# KiCad board FPGA_DevBoard.kicad_pcb (continued)
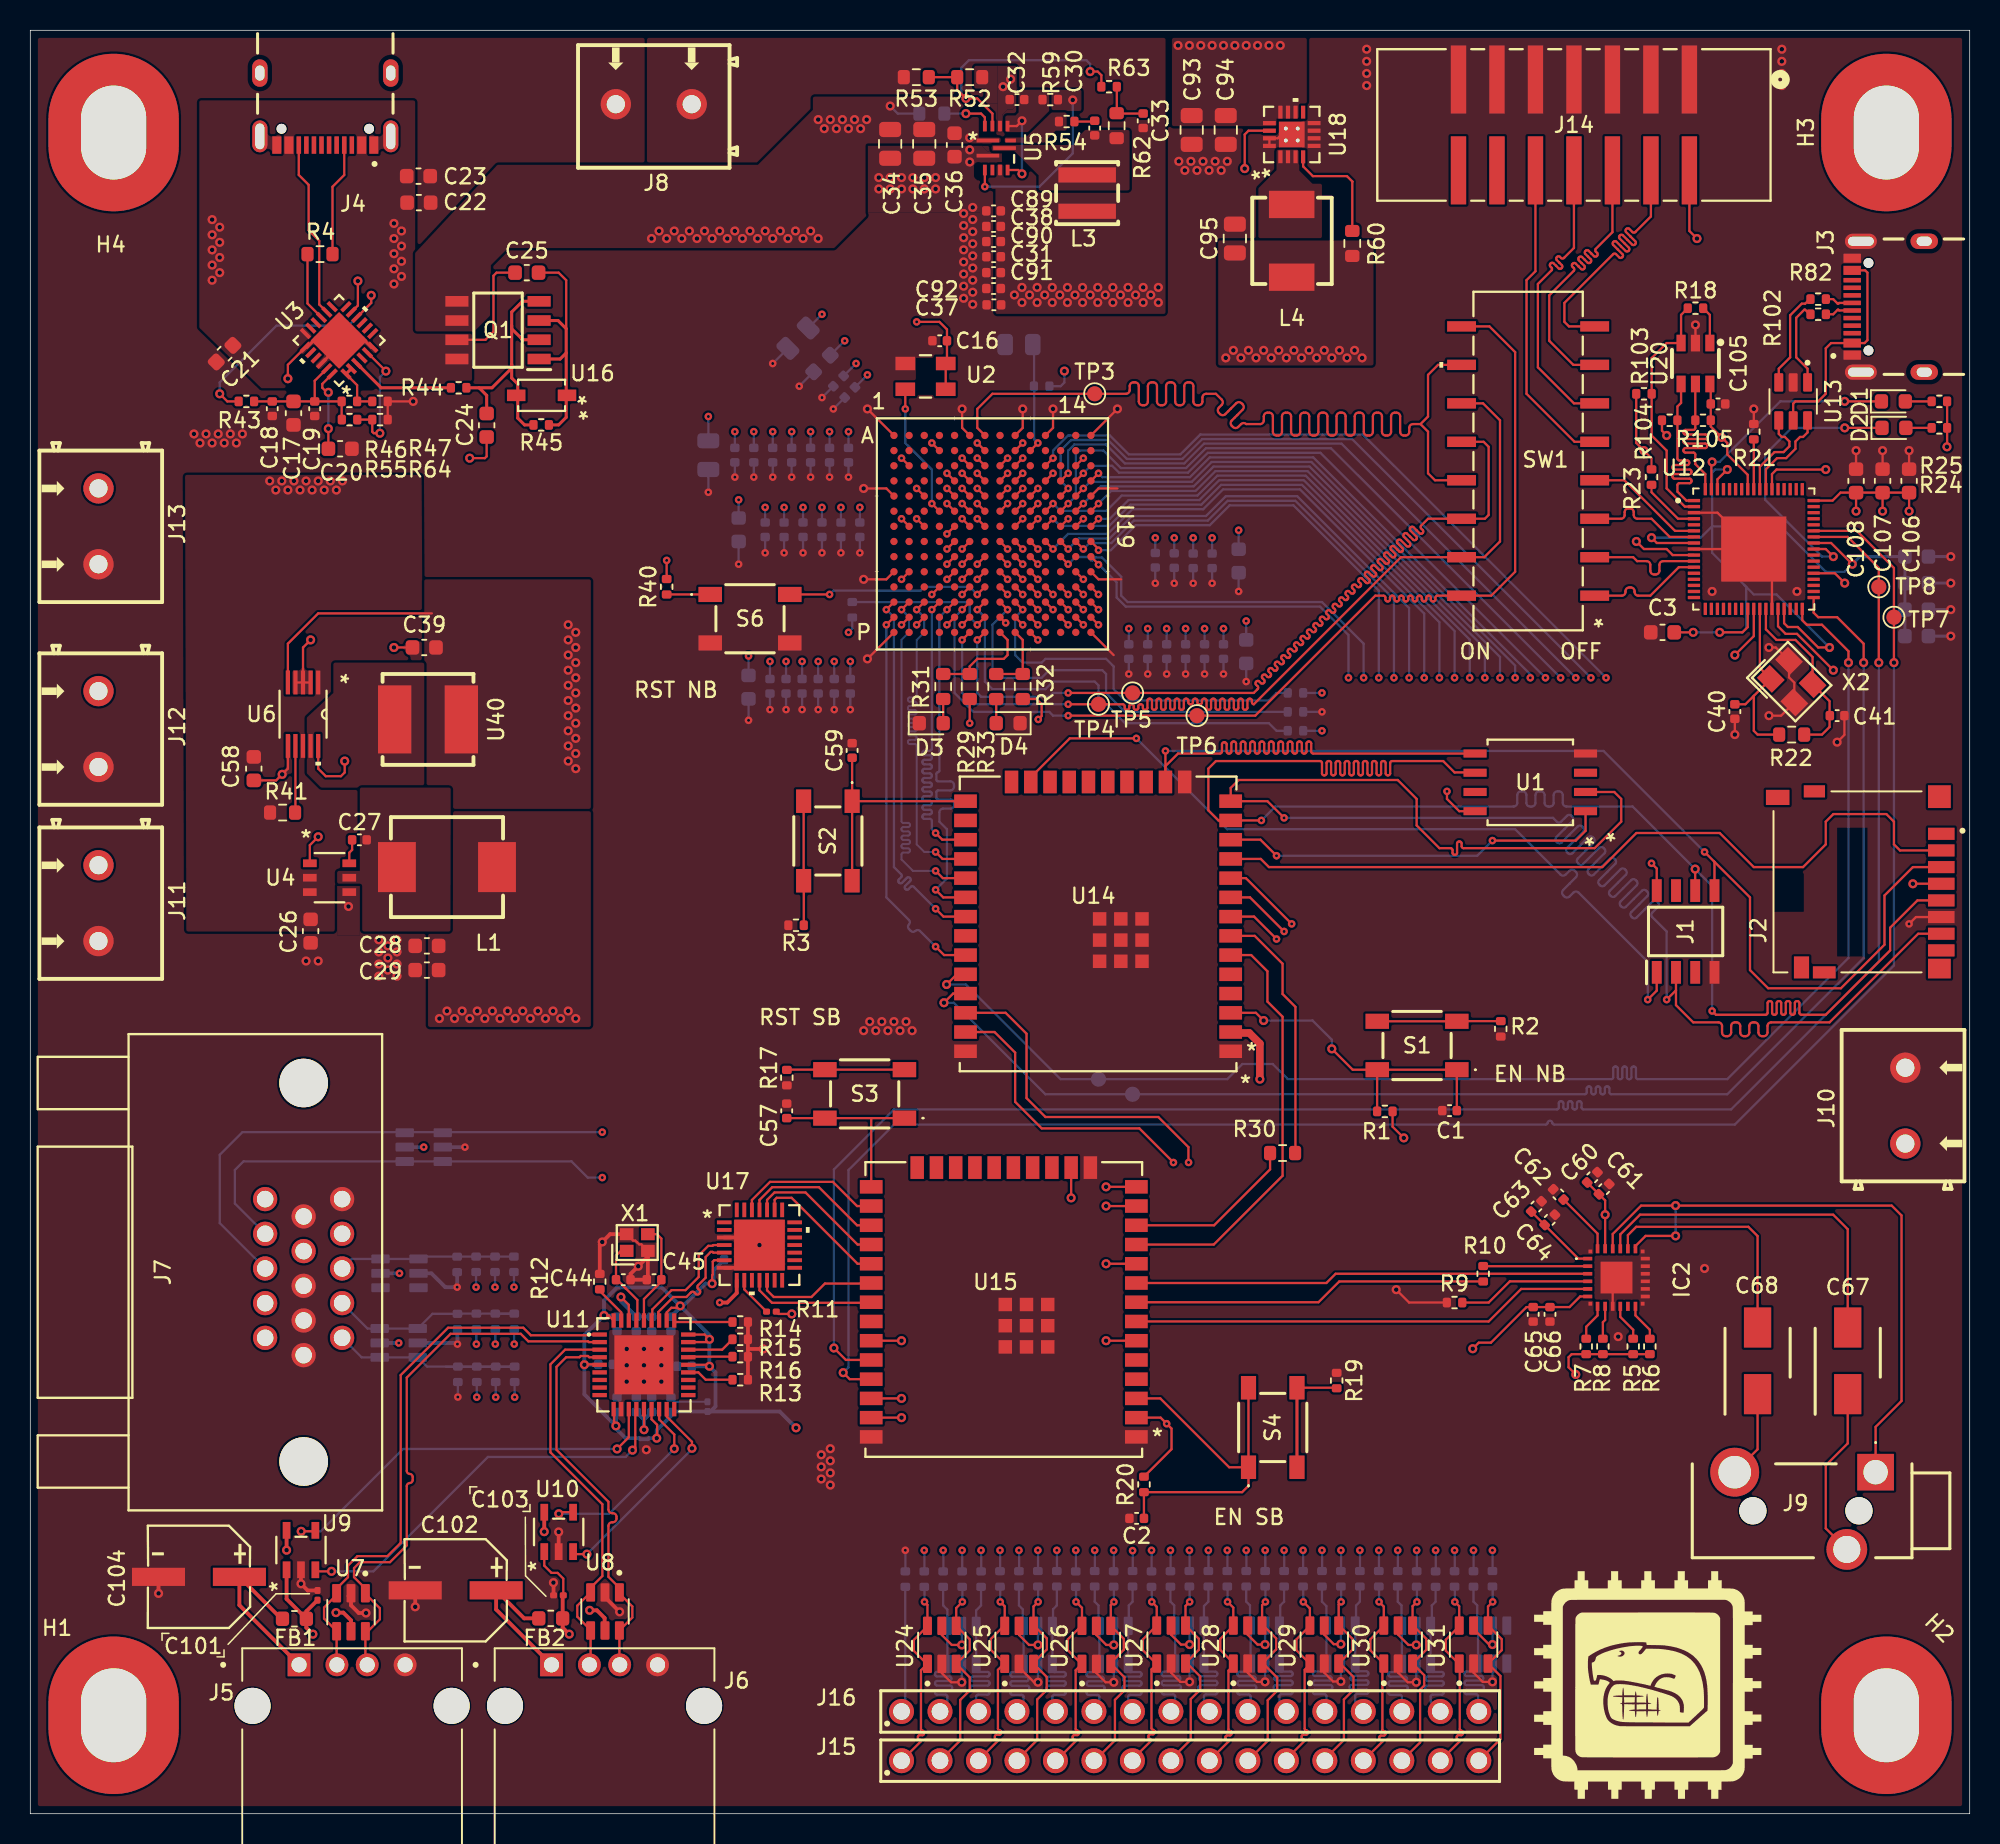
[diagram p0: board, top side]
## Nets (continued)
Pads without a net: H1 1; H2 1; H3 1; H4 1; J1 3 7; J2 1 8 S1 S2 S3 S4 SW-A SW-B; J3 A5 A8 B5 B6 B7 B8; J4 A6 A7 A8 B6 B7 B8; J7 4 9 11 12 15 None; J14 12 14; U1 3 7; U3 4 7 8 9 12 13 16 17 20 21; U5 4; U11 6 7 8 9 18 19 20 21; U12 5 13 14 15 16 17 18 19 20 21 22 23 24 32 33 36 37 38 40 41 42 47 48 49 50 52 53 54 55 56 62 63 64 65; U14 4 5 17 18 19 20 21 22 24 26 32; U15 4 5 17 18 19 20 21 22 23 24 32; U17 1 2 10 13 14 15 16 17 18 19 20 21 22 27 28; U18 9 V; U19 A2 A3 A4 A5 A8 A10 A12 A13 B1 B2 B3 B5 B6 B8 B11 B12 B13 B14 C1 C3 C4 C5 C10 C12 C14 D1 D2 D3 D4 D10 E2 E4 E11 F1 F2 F3 G1 G4 G8 H1 H2 H3 H4 H7 J1 J2 J3 J4 J11 J13 K3 K4 K11 K12 L1 L2 L3 L5 N4 N11 P2 P3 P4 P5 P11 P12 P13; U36 1 6; U38 3 4

## Via types
v1: diameter 0.5, hole 0.2, Top signal to Bottom signal, 315 vias
v2: diameter 0.6, hole 0.3, Top signal to Bottom signal, 414 vias

## Routing (per net, layer and track width the routed paths; a pad name or vN(x,y) marks a point on that pad's centre or on a via; arc(x,y) is an arc through that point)
9V0: length 6.8
  Top signal w0.15: v2(21.62,101.2) 21.62,99.58 U3.11 ; v2(29,89.5) 30,89.5 30.12,89.62 C24.1
  Bottom signal w0.15: v2(56.75,112.75) 57.25,112.25 R51.2
  vias: v2(15.8,88) v2(16.2,87.4) v2(16.6,88) v2(17,87.4) v2(17.4,88) v2(17.8,87.4) v2(18.2,88) v2(18.6,87.4) v2(19,88) v2(19.4,87.4) v2(19.8,88) v2(20.2,87.4) v2(20.6,88) v2(41,104) v2(41.5,104.5) v2(42,104) v2(42.5,104.5) v2(43,104) v2(43.5,104.5) v2(44,104) v2(44.5,104.5) v2(45,104) v2(45.5,104.5) v2(46,104) v2(46.5,104.5) v2(47,104) v2(47.5,104.5) v2(48,104) v2(48.5,104.5) v2(49,104) v2(49.5,104.5) v2(50,104) v2(50.5,104.5) v2(51,104) v2(51.5,104.5) v2(52,111.85) v2(52,104) v2(52.4,111.25) v2(52.8,111.85) v2(53.2,111.25) v2(53.6,111.85) v2(54,111.25) v2(54.4,111.85) v2(54.8,111.25) v2(55.2,111.85) v2(62,110.66) v2(75.75,116.75) v2(76.5,116.75) v2(77.25,116.75) v2(78,116.75) v2(78.75,116.75) v2(79.5,116.75) v2(80.25,116.75) v2(81,116.75) v2(81.75,116.75) v2(82.5,116.75)
+1V0: length 23.2
  Top signal w0.15: U19.K6 v1(61.5,81.5) ; U19.J5 v1(60.5,82.5) ; U19.F6 v1(61.5,86.5) ; U19.H6 v1(61.5,83.5) ; U19.K8 v1(64.5,81.5) ; U19.G5 v1(60.5,84.5) ; U19.E5 v1(60.5,87.5) ; U19.E7 v1(62.5,87.5) ; U19.E9 v1(65.5,87.5) ; U19.D8 v1(64.5,88.5) ; U19.J9 v1(65.5,82.5) ; U19.D6 v1(61.5,88.5) ; U19.G9 v1(65.5,85.5)
  Bottom signal w0.15: C6.1 v1(50.25,91.25) ; C100.1 v1(46.5,91.25) ; C98.1 v1(54,91.25) ; C9.1 v1(55.25,95) ; C11.1 v1(53.75,97.25) ; C5.1 v1(51.5,91.25) ; C4.1 v1(52.75,91.25) ; C97.1 v1(52.25,99) ; C8.1 v1(44.75,92.25) ; C99.1 v1(49,91.25) ; C7.1 v1(47.75,91.25) ; C10.1 v1(54.5,95.75)
  vias: v2(64.95,100.28) v2(65.45,100.78) v2(65.45,99.78) v2(65.95,100.28) v2(66.45,100.78) v2(66.45,99.78) v2(66.95,100.28) v2(67.45,100.78) v2(67.45,99.78) v2(67.95,100.28) v2(68.45,100.78) v2(68.45,99.78) v2(68.95,100.28) v2(69.45,100.78) v2(69.45,99.78) v2(69.95,100.28) v2(70.45,100.78) v2(70.45,99.78) v2(70.95,100.28) v2(71.45,100.78) v2(71.45,99.78) v2(71.95,100.28) v2(72.45,100.78) v2(72.45,99.78) v2(72.95,100.28) v2(73.45,100.78) v2(73.45,99.78) v2(73.95,100.28) v2(74.45,100.78) v2(74.45,99.78)
+1V8: length 21.8
  Top signal w0.15: U19.K10 v1(66.5,81.5) ; 26.5,79.25 19,79.25 17,77.25 U6.5 ; U19.F10 v1(66.5,86.5) ; U19.F8 v1(64.5,86.5) ; U19.H10 v1(66.5,83.5) ; U19.L9 v1(65.5,80.5)
  Bottom signal w0.15: C12.1 v1(76.75,84.24) ; C13.1 v1(75.5,84.24) ; C15.1 v1(79.75,84.74) ; C96.1 v1(74.25,84.24) ; C14.1 v1(78,84.24)
  vias: v2(35.5,78.5) v2(35.5,77.5) v2(35.5,76.5) v2(35.5,75.5) v2(35.5,74.5) v2(35.5,73.5) v2(35.5,72.5) v2(35.5,71.5) v2(35.5,70.5) v2(35.5,69.5) v2(36,78) v2(36,77) v2(36,76) v2(36,75) v2(36,74) v2(36,73) v2(36,72) v2(36,71) v2(36,70) v2(36,69)
+3V3: length 235.5
  Top signal w0.13: v2(106.5,90) 107,89.5 R23.2
  Top signal w0.15: U26.5 70.36,11.8 71.02,11.14 v2(71.51,11.14) ; v2(81.49,11.17) 81,11.17 80.35,11.82 U28.5 ; R103.1 105.99,90.51 v2(106.5,90) ; 38.5,26.71 38.52,26.69 38.52,25.73 v2(38.65,25.61) ; U19.N13 v1(69.5,78.5) ; U12.26 113.75,77.75 v2(112.5,76.5) ; v1(58.5,98.5) 60,98.5 60.5,98 C16.1 60.5,95.83 U2.1 U2.4 ; R29.1 v1(62,72) ; 109.5,109 109.5,104.5 v2(110,104) ; v1(93.5,67.5) 93.5,67 94.31,66.19 U1.8 ; U12.61 113.35,88.4 112,89.75 112,90.5 v2(111.62,90.88) 110.91,91.59 R105.1 C105.1 110.91,94.34 U20.6 ; U11.23 44.73,29.64 v2(44.82,29.54) ; U27.5 75.29,11.82 75.94,11.17 v2(76.51,11.17) ; C108.1 v2(120.5,86) ; 102.77,41.66 C61.1 103.94,40.49 v2(103.94,39.55) IC2.23 ; R20.1 75.32,24.07 75.32,25.43 v1(75,25.75) 74.6,26.15 U15.2 ; v2(119,75.5) 116.6,77.9 115.85,77.9 115.35,78.4 U12.30 ; v2(95.2,30.7) 95.6,31.1 96.4,31.1 98.75,33.45 C65.1 101.59,33.45 102.29,34.15 IC2.6 ; U19.K2 v1(57.5,81.5) ; U12.51 118.95,86.7 119.47,87.22 C106.1 v2(124,86) ; R1.1 89.91,45.36 v2(90.65,44.62) ; U30.5 90.28,11.82 90.95,11.14 v2(91.47,11.14) ; v2(119.75,81.25) 119.1,81.9 U12.39 ; R25.1 126.51,90.26 v2(126.5,90.25) ; v2(50.26,33) 49.38,33 R11.2 ; R40.1 v1(42,82.75) ; U31.5 95.26,12.2 96.28,11.17 v2(96.5,11.17) ; U24.5 60.16,11.8 60.82,11.14 v2(61.48,11.14) ; v2(106,84) 106.5,83.5 108,83.5 108.4,83.1 U12.10 ; U11.27 44.51,31.64 v2(44.82,31.32) 44.64,31.14 U11.26 ; U11.36 38.17,32.9 v2(37.86,32.9) ; J1.8 107.34,62.41 v1(107,62.75) ; U12.57 114.95,88.45 115.25,88.75 v2(118.5,88.75) ; U11.5 37.54,29.67 36.59,29.67 v2(36.57,29.64) ; v2(41.34,24.79) 41.37,24.82 41.37,25.68 41,26.05 41,26.71 ; U19.N2 v1(57.5,78.5) ; v2(45,35) 45,35.56 45.04,35.6 45.04,36.45 45.14,36.54 U17.6 ; v2(108,91) 107.69,91.31 R104.1 ; U19.N6 v1(61.5,78.5) ; U19.N8 v1(64.38,78.62) ; U19.G13 v1(69.5,85.5) ; U29.5 85.4,11.82 86.03,11.19 v2(86.49,11.19) ; U25.5 65.26,11.8 65.92,11.14 v2(66.5,11.14) ; v2(42.89,33.53) 42.77,33.4 42.31,33.4 42,33.1 42,32.57 U11.29 ; v1(66.53,72.25) 66.75,72.47 66.75,73.25 66.4,73.6 R32.1 ; v2(102,29) 101.53,29.47 101.53,30.14 101.73,30.34 R6.1 ; v2(80.15,108.62) 80.15,110.87 80.4,111.12 U18.14 ; U19.K13 v1(69.5,81.5) ; U19.G2 v1(57.5,85.5) ; 126.5,61.4 v2(124.25,61.4) ; C107.1 v2(122.25,86)
  Top signal w0.5: 79.2,51.55 80.45,51.55 81.15,50.85 v2(81.15,48.5)
  Bottom signal w0.15: R38.2 v1(85.25,71.5) ; 48.5,85.25 v1(48.5,86.25) ; v2(68.25,95.25) 68.25,94.5 68,94.25 R26.1 ; C82.1 v1(47.4,76.43) ; C85.1 v1(50.94,76.08) ; R39.2 54.25,78.25 v1(54,78) ; C84.1 v1(49.88,76.08) ; C69.1 v1(78.75,78.25) ; C43.1 v1(80.25,78.75) ; R34.2 v1(85.25,74) ; C71.1 v1(76.25,78.25) ; C74.1 v1(72.5,78.25) ; C86.1 v1(52,76.08) ; C73.1 v1(73.75,78.25) ; v2(71.51,11.14) 71.51,12.37 ; C83.1 v1(48.82,76.08) ; v2(81.49,11.17) 81.49,12.4 ; C80.1 v1(53.5,86.25) ; 52.25,85.25 v1(52.25,86.25) ; 54.75,85.25 v1(54.75,86.25) ; C77.1 v1(49.75,86.25) ; C72.1 v1(75,78.25) ; C70.1 v1(77.5,78.25) ; C87.1 v1(53.06,76.08) ; v2(61.48,11.14) 61.48,12.37 ; v2(76.51,11.17) 76.51,12.4 ; 51,85.25 v1(51,86.25) ; C88.1 v1(54.12,76.08) ; C75.1 v1(46.75,86.75) ; v2(66.5,11.14) 66.5,12.37 ; v2(96.5,11.17) 96.5,12.4 ; v2(91.47,11.14) 91.47,12.37 ; v2(86.49,11.19) U34.5
  Bottom signal w0.25: v2(36.57,29.64) 37.46,29.64 C55.1 ; v2(36.57,29.64) 36.57,31.6 v2(37.86,32.9) ; v2(36.57,29.64) 36.57,27.69 v2(38.65,25.61) ; C46.1 44.89,26.56 45.22,26.89 45.22,29.14 v2(44.82,29.54) ; C46.1 49.46,26.56 v2(50.54,25.48) ; C46.1 42.32,26.56 C47.1 42.28,26.27 41.34,25.33 v2(41.34,24.79) 40.83,24.79 40.76,24.73 40.25,24.73 40.18,24.79 39.29,24.79 38.65,25.43 v2(38.65,25.61) ; v1(25.97,44.01) U39.5 ; v1(24.37,35.68) U38.5 ; v2(44.82,29.54) C48.1 ; v2(44.82,29.54) v2(44.82,31.32) 44.82,31.6 v2(42.89,33.53) ; v2(38.65,25.61) 38.65,26.45 C53.1 ; v2(42.89,33.53) 42.89,33.43 C51.1 ; v2(42.89,33.53) 43.1,33.53 44.56,35 v2(45,35) 45.1,35.1 45.1,35.89 C42.1 ; v2(42.89,33.53) 41.68,34.74 38.72,34.74 37.86,33.88 v2(37.86,32.9) ; v2(37.86,32.9) 38.65,32.9 C49.1 ; v1(24.32,31.08) U37.5
  vias: v2(78.9,96.12) v2(79.4,96.62) v2(79.9,96.12) v2(80.4,96.62) v2(80.9,96.12) v2(81.4,96.62) v2(81.9,96.12) v2(82.4,96.62) v2(82.9,96.12) v2(83.4,96.62) v2(83.9,96.12) v2(84.4,96.62) v2(84.9,96.12) v2(85.4,96.62) v2(85.9,96.12) v2(86.4,96.62) v2(86.9,96.12) v2(87.4,96.62) v2(87.9,96.12)
+5V: length 6.7
  Top signal w0.15: U4.1 18.45,63.95 v2(19,64.5)
  Top signal w0.25: U17.8 46.62,34.38 46,33.75 v1(45.5,33.75) ; U10.5 33.92,18.75 33.92,18.75 ; v2(16.91,17.4) U9.5
  vias: v2(27,52.5) v2(27.5,53) v2(28,52.5) v2(28.5,53) v2(29,52.5) v2(29.5,53) v2(30,52.5) v2(30.5,53) v2(31,52.5) v2(31.5,53) v2(32,52.5) v2(32.5,53) v2(33,52.5) v2(33.5,53) v2(33.92,18.62) v2(34,52.5) v2(34.5,53) v2(35,52.5) v2(35.5,53) v2(36,52.5)
/Power/1V8Sync: length 4.4
  Top signal w0.15: U6.7 17.5,66.12 R41.2
/Power/3V3CYPD: length 9.5
  Top signal w0.15: U3.23 18.77,94.61 C19.1 ; C19.1 R46.1 20.55,92.06 R55.1 ; C19.1 C17.1 C18.1 R43.1
/Power/VBUS_IN: length 7.8
  Top signal w0.15: 32,101.75 30.77,101.75 30.57,101.55 30.57,97.85 30.04,97.32 28.17,97.32
  vias: v2(12,105.25) v2(12,104.25) v2(12,103.25) v2(12,102.25) v2(12,101.25) v2(12.5,104.75) v2(12.5,103.75) v2(12.5,102.75) v2(12.5,101.75) v2(24,105) v2(24,104) v2(24,103) v2(24,102) v2(24,101) v2(24.5,104.5) v2(24.5,103.5) v2(24.5,102.5) v2(24.5,101.5)
/USB_HUB/VBUS1: length 10.6
  Top signal w0.25: v2(18.65,11.85) 18.22,12.29 FB1.1 ; 21.17,11.97 21.17,12.77 20.66,13.28 v2(20.18,13.28) ; FB1.1 16.91,14.18 U9.1 ; FB1.1 18.22,13.36 C101.1
  Top PWR w0.25: v2(20.18,13.28) 20.07,13.28 v2(18.65,11.85)
/USB_HUB/VBUS1_FILT: length 11.4
  Top signal w0.25: FB1.2 16.57,12.87 C104.1 13.8,13.77 J5.1
/USB_HUB/VBUS2: length 10.5
  Top signal w0.15: C103.1 35.18,15.52 34.8,15.9 34.4,15.9 33.92,16.38 U10.1
  Top signal w0.25: C103.1 35.14,14.38 FB2.1 35.14,12.29 v2(35.57,11.85) ; v2(36.91,13.43) 37.4,13.43 37.9,12.92 37.9,12.12
  Top PWR w0.25: v2(35.57,11.85) 35.57,12.08 v2(36.91,13.43)
/USB_HUB/VBUS2_FILT: length 10
  Top signal w0.25: FB2.2 32.6,12.9 C102.1 30.74,13.49 J6.1
/USB_IN/VBUS: length 15
  Top signal w0.15: U13.5 116.35,93.1 116.5,93.25 118,93.25 118.5,93.75 118.5,96.75 118.85,97.1 J3.A4_B9 121.06,97.1 121.25,97.29 121.25,101.75 121.1,101.9 J3.B4_A9
GND: length 241.5
  Top signal w0.15: U19.C6 v1(61.5,89.5) ; U19.K7 v1(62.5,81.5) ; U24.2 60.16,9.29 60.77,8.68 v2(61.48,8.68) ; U19.N3 v1(58.5,78.5) ; U6.6 17,69 v2(16.62,68.62) 16.23,68.22 C58.2 ; U19.J6 v1(61.5,82.5) ; U19.A11 67.5,91.5 v2(67.5,92.75) ; v2(25.27,93.25) R47.2 R64.2 ; C41.2 119.73,71.23 v2(119.25,70.75) ; U19.C8 v1(64.5,89.5) ; U19.H9 v1(65.5,83.5) ; U19.G6 v1(61.5,85.5) ; v2(76.51,8.71) 75.9,8.71 75.29,9.31 U27.2 ; R21.2 v2(113.75,92.75) ; U19.E1 56.5,87.5 v2(55,87.5) ; U19.B4 v1(59.5,90.5) ; U19.B7 v1(62.5,90.5) ; U19.F5 v1(60.5,86.5) ; U19.N5 v1(60.5,78.5) ; U30.2 90.28,9.31 90.91,8.68 v2(91.47,8.68) ; U3.19 17,95.66 v2(17,94.75) ; U19.L11 v1(67.5,80.5) ; v2(18.5,77.5) 18,77 U6.3 ; C108.2 v2(120.5,90) ; U6.2 U6.4 ; v2(71.51,8.68) 70.97,8.68 70.36,9.29 U26.2 ; U19.E10 v1(66.5,87.5) ; U19.C2 v1(57.5,89.5) ; U25.2 65.26,9.67 66.25,8.68 v2(66.5,8.68) ; C107.2 v2(122.25,90) ; U19.A6 61.5,91.5 v2(61.5,92.75) ; U19.E14 70.5,87.5 71.75,87.5 ; U19.A9 65.5,91.5 v2(65.5,92.75) ; U19.E8 v1(64.5,87.5) ; U19.C9 v1(65.5,89.5) ; U19.K14 70.5,81.5 72,81.5 ; U19.H8 v1(64.5,83.5) ; U12.69 111.35,85.9 U12.3 ; U12.69 U12.9 ; U12.69 114.95,82.3 U12.29 ; v2(114.75,77) 115.2,77 X2.4 116.07,75.03 116.43,74.67 X2.2 115.56,72.5 v2(114.75,72.5) ; 20.95,14.38 20.95,14.38 ; U31.2 95.26,9.31 95.86,8.71 v2(96.5,8.71) ; 40.84,37.08 X1.2 40.33,37.59 40.19,37.59 40.03,37.74 39.93,37.84 39.78,37.84 39.36,38.26 ; v2(20.75,69.5) 20.75,68.75 20.5,68.5 19.5,68.5 19,69 U6.10 ; v2(55,81.5) 56.5,81.5 U19.K1 ; U19.L10 v1(66.5,80.5) ; U19.G3 v1(58.5,85.5) ; U19.L6 v1(61.5,80.5) ; U19.D11 v1(67.5,88.5) ; U19.G10 v1(66.5,85.5) ; v2(86.49,8.73) 85.98,8.73 85.4,9.31 U29.2 ; IC2.25 104.44,35.15 IC2.9 ; 126.5,59.2 124.45,59.2 v1(124,58.75) ; v2(55.25,76.25) U19.P1 ; C106.2 v2(124,90) ; U19.J10 v1(66.5,82.5) ; U19.H5 v1(60.5,83.5) ; U19.B9 v1(65.5,90.5) ; U19.L8 v1(64.5,80.5) ; U19.G7 v1(62.5,85.5) ; U20.2 v2(109.9,98.3) ; U19.K5 v1(60.5,81.5) ; U19.C13 v1(69.5,89.5) ; U19.F9 v1(65.5,86.5) ; U19.D7 v1(62.5,88.5) ; C39.2 v2(24,77) ; U19.D5 v1(60.5,88.5) ; U19.F7 v1(62.5,86.5) ; U19.A14 v2(71.75,92.75) ; U19.N12 v1(68.5,78.5) ; U19.L4 v1(59.5,80.5) ; U19.N9 v1(65.5,78.5) ; U19.E3 v1(58.5,87.5) ; U28.2 80.35,9.31 80.95,8.71 v2(81.49,8.71) ; U19.E6 v1(61.5,87.5) ; U19.J8 v1(64.5,82.5) ; U19.D9 v1(65.5,88.5) ; C40.1 v2(112.5,71.25) ; U19.C7 v1(62.5,89.5) ; R9.1 91,33.75 v2(90.15,34.6) ; C45.2 40.87,35.44 ; U19.K9 v1(65.5,81.5) ; 82.58,110.87 82.33,110.62 U18.15 U18.16 ; U19.G12 v1(68.5,85.5) ; U19.P14 71.5,76.5 ; U19.J7 v1(62.5,82.5) ; v2(55.25,92.75) U19.A1
  Top signal w0.2: U3.25 22.06,97.28 22.51,96.82 U3.6 ; U3.25 18.71,97.28 18.26,96.82 U3.19 ; U3.25 20.38,96.92 U3.22
  Top signal w0.25: 47.36,30.74 47.42,30.69 v2(48.38,30.69) ; 47.36,30.74 47.36,32.46 ; 47.36,30.74 47.36,28.65 ; U17.7 46.62,36.04 v2(48.12,37.54) 47.63,38.04 U17.3 ; v2(25.4,13.66) C102.2 ; v2(22.16,13.25) 21.67,13.25 21.17,13.76 U7.2 ; U8.2 37.93,14.29 v2(38.9,13.33) ; v2(17.86,15.18) 18.31,14.74 C101.2 ; v2(17.86,15.18) U9.2 ; v2(17.86,15.18) 17.86,15.07 ; C104.2 8.46,14.55 v2(8.47,14.55) ; R12.2 37.58,37.58 v2(37.75,37.75) 38.26,38.26 39.36,38.26 ; v2(34.53,15.26) 34.54,15.25 C103.2 ; v2(34.87,18.6) U10.2 ; 40.76,35.33 C45.2 C44.1 39.62,35.64 v2(40.12,36.15) 40.76,36.78 X1.2 40.76,35.33
  Bottom signal w0.13: C46.2 42.57,27.2 C47.2
  Bottom signal w0.15: v2(86.49,8.73) U34.2 ; v2(81.49,8.71) 81.49,9.89 ; v2(61.48,8.68) 61.48,9.86 ; C5.2 v1(51.5,88.25) ; R37.2 v1(85.25,72.75) ; C43.2 v1(80.25,74.75) ; C6.2 v1(50.25,88.25) ; C12.2 v1(76.75,81.24) ; C85.2 v1(50.94,72.9) ; v1(78,81.24) C14.2 ; C10.2 v1(52.25,93.5) ; C87.2 v1(53.06,72.9) ; v2(66.5,8.68) 66.5,9.86 ; C74.2 v1(72.5,75.25) ; C7.2 v1(47.75,88.25) ; v2(91.47,8.68) 91.47,9.86 ; C9.2 v1(53,92.75) ; C71.2 v1(76.25,75.25) ; C98.2 v1(54,88.25) ; C84.2 v1(49.88,72.9) ; C15.2 v1(79.75,80.7) ; C79.2 v1(52.25,83.25) ; C13.2 v1(75.5,81.24) ; v1(57.75,17.39) 57.76,17.38 57.76,16.12 ; C97.2 v1(49,95.75) ; C69.2 v1(78.75,75.25) ; R65.2 v1(28.22,27.51) ; C72.2 v1(75,75.25) ; C75.2 v1(46.75,82.5) ; v2(96.5,8.71) 96.5,9.89 ; C96.2 v1(74.25,81.24) ; C78.2 v1(51,83.25) ; C88.2 v1(54.12,72.9) ; C11.2 v1(50.75,94.25) ; C70.2 v1(77.5,75.25) ; C4.2 v1(52.75,88.25) ; C99.2 v1(49,88.25) ; C80.2 v1(53.5,83.25) ; v2(76.51,8.71) 76.51,9.89 ; C86.2 v1(52,72.9) ; C82.2 v1(47.4,72.19) ; v2(71.51,8.68) 71.51,9.86 ; C100.2 v1(46.5,88.25) ; C77.2 v1(49.75,83.25) ; C8.2 v1(44.75,87.25) ; C81.2 v1(54.75,83.25) ; C83.2 v1(48.82,72.9) ; C76.2 v1(48.5,83.25) ; C73.2 v1(73.75,75.25)
  Bottom signal w0.2: C109.2 v2(126.75,77.75) ; C112.2 v2(126.75,83) ; C110.2 v2(126.75,79.5) ; C111.2 v2(126.75,81.25)
  Bottom signal w0.25: R56.2 v1(28.19,31.01) 28.11,31.08 U37.2 ; R27.2 v1(28.17,34.77) 27.39,34.77 26.47,35.68 U38.2 ; v2(48.12,37.54) 47.16,36.58 C42.2 ; v1(28.68,44.01) U39.2
  vias: v2(10.8,91.1) v2(11.2,90.5) v2(11.6,91.1) v2(12,90.5) v2(12.4,91.1) v2(12.8,90.5) v2(13.2,91.1) v2(13.6,90.5) v2(14,91.1) v2(18.2,56.3) v2(19,56.3) v2(21,59.9) v2(23,57.7) v2(23,56.9) v2(23,56.1) v2(23,55.3) v2(23.6,57.3) v2(23.6,56.5) v2(23.6,55.7) v2(24.2,57.7) v2(24.2,56.9) v2(24.2,56.1) v2(24.2,55.3) v2(39.36,30.69) v2(39.36,29.61) v2(39.36,28.53) v2(40.5,30.69) v2(40.5,29.61) v2(40.5,28.53) v2(40.66,24.03) v2(41.65,30.69) v2(41.65,29.61) v2(41.65,28.53) v2(52.2,23.7) v2(52.2,22.9) v2(52.2,22.1) v2(52.8,24.1) v2(52.8,23.3) v2(52.8,22.5) v2(52.8,21.7) v2(55,51.7) v2(55.4,52.3) v2(55.8,51.7) v2(56,108.03) v2(56,107.28) v2(56.2,52.3) v2(56.6,51.7) v2(56.75,108.03) v2(56.75,107.28) v2(57,52.3) v2(57.4,51.7) v2(57.5,108.03) v2(57.5,107.28) v2(57.8,52.3) v2(58.25,108.03) v2(58.25,107.28) v2(58.2,51.7) v2(59,108.03) v2(59,107.28) v2(59.75,108.03) v2(59.75,107.28) v2(61.6,105.66) v2(61.6,104.85) v2(61.6,104.06) v2(61.6,103.25) v2(61.6,102.45) v2(61.6,101.66) v2(61.6,100.85) v2(61.6,100.06) v2(62,109.85) v2(62,109.06) v2(62.2,106.06) v2(62.2,105.25) v2(62.2,104.45) v2(62.2,103.66) v2(62.2,102.85) v2(62.2,102.06) v2(62.2,101.25) v2(62.2,100.45) v2(62.2,99.66) v2(64.2,114.03) v2(64.7,114.53) v2(75.8,109.1) v2(76.2,108.5) v2(76.6,109.1) v2(77,108.5) v2(77.4,109.1) v2(77.8,108.5) v2(78.2,109.1) v2(78.6,108.5) v2(79,109.1) v2(88.2,116.5) v2(88.2,115.7) v2(88.2,114.9) v2(88.2,114.1) v2(104.8,31.5) v2(110.5,36) v2(111,80.7) v2(115.6,116.5) v2(115.6,115.7) v2(115.6,114.9) v2(115.6,114.1) v2(116.6,80.7)
/FPGA_UNIT_A/UCLK: length 9
  Top signal w0.15: U19.F4 v1(59.5,86.5) ; v1(57.75,92.75) U2.3
  Bottom signal w0.15: v1(59.5,86.5) 59.5,88.75 57.75,90.5 v1(57.75,92.75)
/FPGA_UNIT_B/Blue: length 11.7
  Bottom signal w0.15: R36.2 25.78,36.79 U38.1 U38.6 21.21,36.63 J7.3
/FPGA_UNIT_B/GPIO_7: length 107.3
  Top signal w0.15: U19.J12 v1(68.5,82.5)
  Top PWR w0.15: 88,74.95 88,54.51 arc(87.97,54.44) 87.9,54.41 arc(87.83,54.38) 87.8,54.31 87.8,54.21 arc(87.83,54.14) 87.9,54.11 88.1,54.11 arc(88.17,54.08) 88.2,54.01 88.2,53.91 arc(88.17,53.84) 88.1,53.81 87.9,53.81 arc(87.83,53.78) 87.8,53.71 87.8,53.61 arc(87.83,53.54) 87.9,53.51 88.1,53.51 arc(88.17,53.48) 88.2,53.41 88.2,53.31 arc(88.17,53.24) 88.1,53.21 87.9,53.21 arc(87.83,53.18) 87.8,53.11 87.8,53.01 arc(87.83,52.94) 87.9,52.91 88.1,52.91 arc(88.17,52.88) 88.2,52.81 88.2,52.71 arc(88.17,52.64) 88.1,52.61 87.9,52.61 arc(87.83,52.58) 87.8,52.51 87.8,52.41 arc(87.83,52.34) 87.9,52.31 88.1,52.31 arc(88.17,52.28) 88.2,52.21 88.2,52.11 arc(88.17,52.04) 88.1,52.01 87.9,52.01 arc(87.83,51.98) 87.8,51.91 87.8,51.81 arc(87.83,51.74) 87.9,51.71 88.1,51.71 arc(88.17,51.68) 88.2,51.61 88.2,51.51 arc(88.17,51.44) 88.1,51.41 87.9,51.41 arc(87.83,51.38) 87.8,51.31 87.8,51.21 arc(87.83,51.14) 87.9,51.11 88.1,51.11 arc(88.17,51.08) 88.2,51.01 88.2,50.91 arc(88.17,50.84) 88.1,50.81 87.9,50.81 arc(87.83,50.78) 87.8,50.71 87.8,50.61 arc(87.83,50.54) 87.9,50.51 88.1,50.51 arc(88.17,50.48) 88.2,50.41 88.2,50.31 arc(88.17,50.24) 88.1,50.21 87.9,50.21 arc(87.83,50.18) 87.8,50.11 87.8,50.01 arc(87.83,49.94) 87.9,49.91 88.1,49.91 arc(88.17,49.88) 88.2,49.81 88.2,49.71 arc(88.17,49.64) 88.1,49.61 87.9,49.61 arc(87.83,49.58) 87.8,49.51 87.8,49.41 arc(87.83,49.34) 87.9,49.31 88.1,49.31 arc(88.17,49.28) 88.2,49.21 88.2,49.11 arc(88.17,49.04) 88.1,49.01 87.9,49.01 arc(87.83,48.98) 87.8,48.91 87.8,48.81 arc(87.83,48.74) 87.9,48.71 88.1,48.71 arc(88.17,48.68) 88.2,48.61 88.2,48.51 arc(88.17,48.44) 88.1,48.41 87.9,48.41 arc(87.83,48.38) 87.8,48.31 87.8,48.21 arc(87.83,48.14) 87.9,48.11 88.1,48.11 arc(88.17,48.08) 88.2,48.01 88.2,47.91 arc(88.17,47.84) 88.1,47.81 87.9,47.81 arc(87.83,47.78) 87.8,47.71 87.8,47.61 arc(87.83,47.54) 87.9,47.51 88.1,47.51 arc(88.17,47.48) 88.2,47.41 88.2,47.31 arc(88.17,47.24) 88.1,47.21 87.9,47.21 arc(87.83,47.18) 87.8,47.11 87.8,47.01 arc(87.83,46.94) 87.9,46.91 88.1,46.91 arc(88.17,46.88) 88.2,46.81 88.2,46.71 arc(88.17,46.64) 88.1,46.61 87.9,46.61 arc(87.83,46.58) 87.8,46.51 87.8,46.41 arc(87.83,46.34) 87.9,46.31 88.1,46.31 arc(88.17,46.28) 88.2,46.21 88.2,46.11 arc(88.17,46.04) 88.1,46.01 87.9,46.01 arc(87.83,45.98) 87.8,45.91 87.8,45.81 arc(87.83,45.74) 87.9,45.71 88.1,45.71 arc(88.17,45.68) 88.2,45.61 88.2,45.51 arc(88.17,45.44) 88.1,45.41 87.9,45.41 arc(87.83,45.38) 87.8,45.31 87.8,45.21 arc(87.83,45.14) 87.9,45.11 88.1,45.11 arc(88.17,45.08) 88.2,45.01 88.2,44.91 arc(88.17,44.84) 88.1,44.81 87.9,44.81 arc(87.83,44.78) 87.8,44.71 87.8,44.61 arc(87.83,44.54) 87.9,44.51 88.1,44.51 arc(88.17,44.48) 88.2,44.41 88.2,44.31 arc(88.17,44.24) 88.1,44.21 87.9,44.21 arc(87.83,44.18) 87.8,44.11 87.8,44.01 arc(87.83,43.94) 87.9,43.91 88.1,43.91 arc(88.17,43.88) 88.2,43.81 88.2,43.71 arc(88.17,43.64) 88.1,43.61 87.9,43.61 arc(87.83,43.58) 87.8,43.51 87.8,43.41 arc(87.83,43.34) 87.9,43.31 88.1,43.31 arc(88.17,43.28) 88.2,43.21 88.2,43.11 arc(88.17,43.04) 88.1,43.01 87.9,43.01 arc(87.83,42.98) 87.8,42.91 87.8,42.81 arc(87.83,42.74) 87.9,42.71 88.1,42.71 arc(88.17,42.68) 88.2,42.61 88.2,42.51 arc(88.17,42.44) 88.1,42.41 87.9,42.41 arc(87.83,42.38) 87.8,42.31 87.8,42.21 arc(87.83,42.14) 87.9,42.11 88.1,42.11 arc(88.17,42.08) 88.2,42.01 88.2,41.91 arc(88.17,41.84) 88.1,41.81 87.9,41.81 arc(87.83,41.78) 87.8,41.71 87.8,41.61 arc(87.83,41.54) 87.9,41.51 88.1,41.51 arc(88.17,41.48) 88.2,41.41 88.2,41.31 arc(88.17,41.24) 88.1,41.21 87.9,41.21 arc(87.83,41.18) 87.8,41.11 87.8,41.01 arc(87.83,40.94) 87.9,40.91 88.1,40.91 arc(88.17,40.88) 88.2,40.81 88.2,40.71 arc(88.17,40.64) 88.1,40.61 87.9,40.61 arc(87.83,40.58) 87.8,40.51 87.8,40.41 arc(87.83,40.34) 87.9,40.31 88.1,40.31 arc(88.17,40.28) 88.2,40.21 88.2,40.11 arc(88.17,40.04) 88.1,40.01 87.9,40.01 arc(87.83,39.98) 87.8,39.91 87.8,39.81 arc(87.83,39.74) 87.9,39.71 88.1,39.71 arc(88.17,39.68) 88.2,39.61 88.2,39.51 arc(88.17,39.44) 88.1,39.41 87.9,39.41 arc(87.83,39.38) 87.8,39.31 87.8,39.21 arc(87.83,39.14) 87.9,39.11 88.1,39.11 arc(88.17,39.08) 88.2,39.01 88.2,38.91 arc(88.17,38.84) 88.1,38.81 87.9,38.81 arc(87.83,38.78) 87.8,38.71 87.8,38.61 arc(87.83,38.54) 87.9,38.51 88.1,38.51 arc(88.17,38.48) 88.2,38.41 88.2,38.31 arc(88.17,38.24) 88.1,38.21 87.9,38.21 arc(87.83,38.18) 87.8,38.11 87.8,38.01 arc(87.83,37.94) 87.9,37.91 88.1,37.91 arc(88.17,37.88) 88.2,37.81 88.2,37.71 arc(88.17,37.64) 88.1,37.61 87.9,37.61 arc(87.83,37.58) 87.8,37.51 87.8,37.41 arc(87.83,37.34) 87.9,37.31 arc(87.97,37.28) 88,37.21 88,36.94 80.42,29.36 80.42,26.36 76.5,22.43 v1(76.5,17.39)
  Bottom signal w0.15: v1(68.5,82.5) 68.98,82.98 69.77,82.98 70,82.75 70.11,82.75 70.3,82.95 70.73,82.95 72,81.67 72,80.43 72.43,80 85.25,80 88,77.25 v1(88,75) ; 76.51,16.12 76.51,17.38 v1(76.5,17.39)
/FPGA_UNIT_B/GPIO_8: length 107.4
  Top signal w0.15: U19.H13 v1(69.5,83.5)
  Top PWR w0.15: 90,74.95 90,50.62 arc(90.03,50.55) 90.1,50.52 arc(90.17,50.49) 90.2,50.42 90.2,50.32 arc(90.17,50.25) 90.1,50.22 89.9,50.22 arc(89.83,50.19) 89.8,50.12 89.8,50.02 arc(89.83,49.95) 89.9,49.92 90.1,49.92 arc(90.17,49.89) 90.2,49.82 90.2,49.72 arc(90.17,49.65) 90.1,49.62 89.9,49.62 arc(89.83,49.59) 89.8,49.52 89.8,49.42 arc(89.83,49.35) 89.9,49.32 90.1,49.32 arc(90.17,49.29) 90.2,49.22 90.2,49.12 arc(90.17,49.05) 90.1,49.02 89.9,49.02 arc(89.83,48.99) 89.8,48.92 89.8,48.82 arc(89.83,48.75) 89.9,48.72 90.1,48.72 arc(90.17,48.69) 90.2,48.62 90.2,48.52 arc(90.17,48.45) 90.1,48.42 89.9,48.42 arc(89.83,48.39) 89.8,48.32 89.8,48.22 arc(89.83,48.15) 89.9,48.12 90.1,48.12 arc(90.17,48.09) 90.2,48.02 90.2,47.92 arc(90.17,47.85) 90.1,47.82 89.9,47.82 arc(89.83,47.79) 89.8,47.72 89.8,47.62 arc(89.83,47.55) 89.9,47.52 90.1,47.52 arc(90.17,47.49) 90.2,47.42 90.2,47.32 arc(90.17,47.25) 90.1,47.22 89.9,47.22 arc(89.83,47.19) 89.8,47.12 89.8,47.02 arc(89.83,46.95) 89.9,46.92 90.1,46.92 arc(90.17,46.89) 90.2,46.82 90.2,46.72 arc(90.17,46.65) 90.1,46.62 89.9,46.62 arc(89.83,46.59) 89.8,46.52 89.8,46.42 arc(89.83,46.35) 89.9,46.32 90.1,46.32 arc(90.17,46.29) 90.2,46.22 90.2,46.12 arc(90.17,46.05) 90.1,46.02 89.9,46.02 arc(89.83,45.99) 89.8,45.92 89.8,45.82 arc(89.83,45.75) 89.9,45.72 90.1,45.72 arc(90.17,45.69) 90.2,45.62 90.2,45.52 arc(90.17,45.45) 90.1,45.42 89.9,45.42 arc(89.83,45.39) 89.8,45.32 89.8,45.22 arc(89.83,45.15) 89.9,45.12 arc(89.97,45.09) 90,45.02 90,44.92 arc(89.97,44.85) 89.9,44.82 arc(89.83,44.79) 89.8,44.72 89.8,44.62 arc(89.83,44.55) 89.9,44.52 arc(89.97,44.49) 90,44.42 90,44.32 arc(89.97,44.25) 89.9,44.22 arc(89.83,44.19) 89.8,44.12 89.8,44.02 arc(89.83,43.95) 89.9,43.92 90.1,43.92 arc(90.17,43.89) 90.2,43.82 90.2,43.72 arc(90.17,43.65) 90.1,43.62 89.9,43.62 arc(89.83,43.59) 89.8,43.52 89.8,43.42 arc(89.83,43.35) 89.9,43.32 90.1,43.32 arc(90.17,43.29) 90.2,43.22 90.2,43.12 arc(90.17,43.05) 90.1,43.02 89.9,43.02 arc(89.83,42.99) 89.8,42.92 89.8,42.82 arc(89.83,42.75) 89.9,42.72 90.1,42.72 arc(90.17,42.69) 90.2,42.62 90.2,42.52 arc(90.17,42.45) 90.1,42.42 89.9,42.42 arc(89.83,42.39) 89.8,42.32 89.8,42.22 arc(89.83,42.15) 89.9,42.12 90.1,42.12 arc(90.17,42.09) 90.2,42.02 90.2,41.92 arc(90.17,41.85) 90.1,41.82 89.9,41.82 arc(89.83,41.79) 89.8,41.72 89.8,41.62 arc(89.83,41.55) 89.9,41.52 90.1,41.52 arc(90.17,41.49) 90.2,41.42 90.2,41.32 arc(90.17,41.25) 90.1,41.22 89.9,41.22 arc(89.83,41.19) 89.8,41.12 89.8,41.02 arc(89.83,40.95) 89.9,40.92 90.1,40.92 arc(90.17,40.89) 90.2,40.82 90.2,40.72 arc(90.17,40.65) 90.1,40.62 89.9,40.62 arc(89.83,40.59) 89.8,40.52 89.8,40.42 arc(89.83,40.35) 89.9,40.32 90.1,40.32 arc(90.17,40.29) 90.2,40.22 90.2,40.12 arc(90.17,40.05) 90.1,40.02 89.9,40.02 arc(89.83,39.99) 89.8,39.92 89.8,39.82 arc(89.83,39.75) 89.9,39.72 90.1,39.72 arc(90.17,39.69) 90.2,39.62 90.2,39.52 arc(90.17,39.45) 90.1,39.42 89.9,39.42 arc(89.83,39.39) 89.8,39.32 89.8,39.22 arc(89.83,39.15) 89.9,39.12 90.1,39.12 arc(90.17,39.09) 90.2,39.02 90.2,38.92 arc(90.17,38.85) 90.1,38.82 89.9,38.82 arc(89.83,38.79) 89.8,38.72 89.8,38.62 arc(89.83,38.55) 89.9,38.52 90.1,38.52 arc(90.17,38.49) 90.2,38.42 90.2,38.32 arc(90.17,38.25) 90.1,38.22 89.9,38.22 arc(89.83,38.19) 89.8,38.12 89.8,38.02 arc(89.83,37.95) 89.9,37.92 90.1,37.92 arc(90.17,37.89) 90.2,37.82 90.2,37.72 arc(90.17,37.65) 90.1,37.62 89.9,37.62 arc(89.83,37.59) 89.8,37.52 89.8,37.42 arc(89.83,37.35) 89.9,37.32 90.1,37.32 arc(90.17,37.29) 90.2,37.22 90.2,37.12 arc(90.17,37.05) 90.1,37.02 89.9,37.02 arc(89.83,36.99) 89.8,36.92 89.8,36.82 arc(89.83,36.75) 89.9,36.72 arc(89.97,36.69) 90,36.62 90,36.11 81.59,27.7 81.59,25.75 79,23.16 v1(79,17.39)